# KiCad board processor.80C188.kicad_pcb (continued)
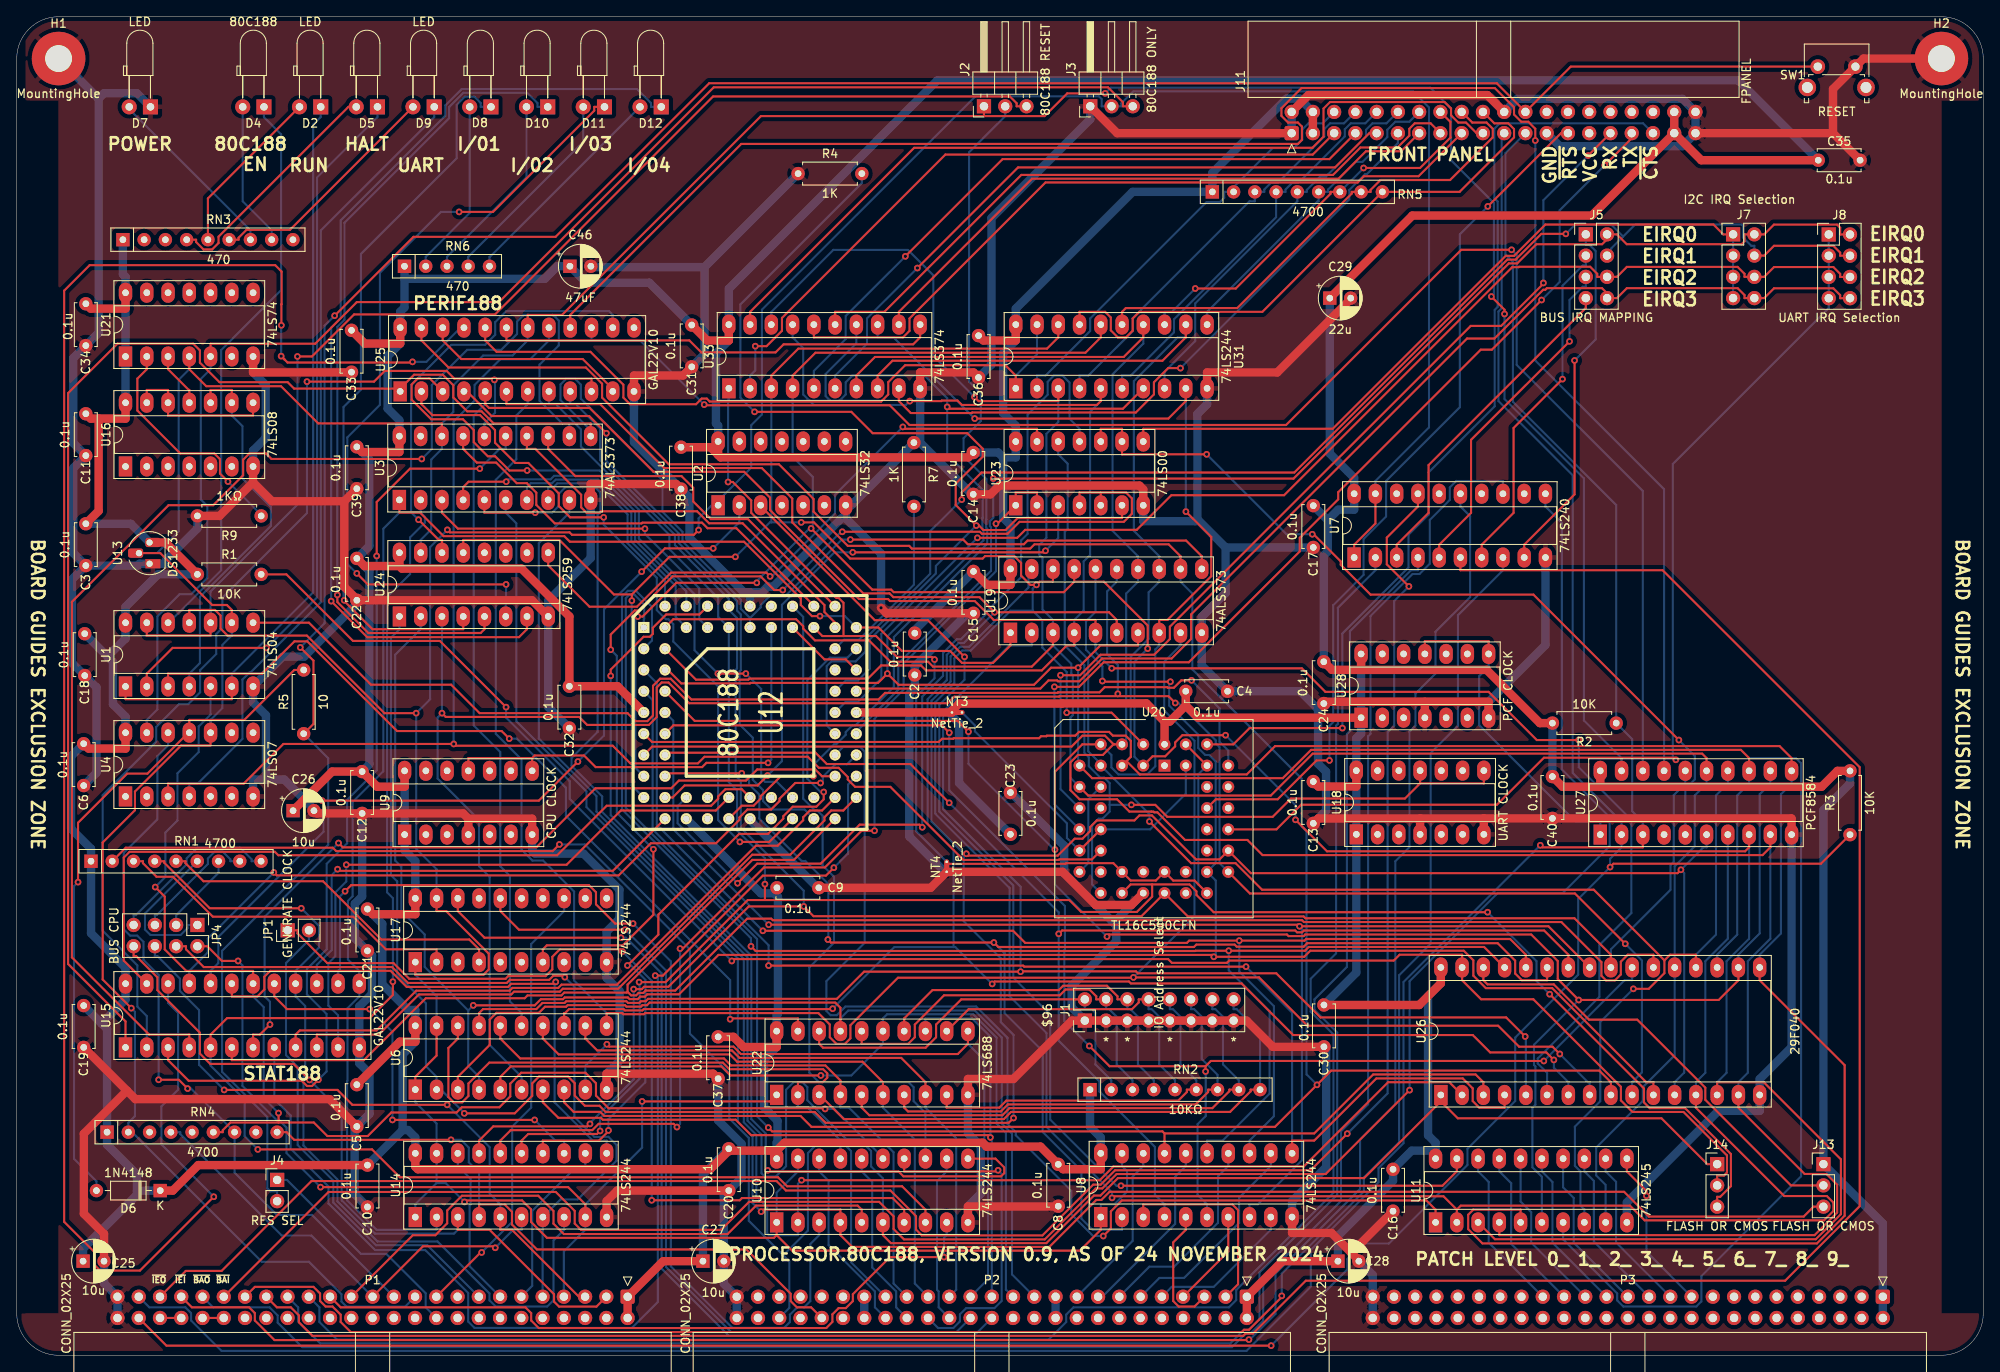
[diagram p0: board, top side]
## Nets (continued)
~{BDREQ0}: U10.3 U15.14
~{BDREQ1}: U14.16 U23.1 U23.2
~{BUSACK}: P1.13 U14.18
~{BUSRQ}: P1.23 RN4.7 U4.12
~{CPU-HALT}: RN4.6 U1.5 U10.15 U15.18
~{CPU-IORQ}: U14.11 U15.19
~{CPU-M1}: RN1.4 U14.8 U15.16
~{CPU-MREQ}: U14.13 U15.17
~{CPU-RD}: U12.62 U14.17 U20.24 U25.9 U26.24 U27.16
~{CPU-RFSH}: U10.11 U12.64
~{CPU-WR}: J14.3 U12.63 U14.15 U20.20 U25.8
~{CS_I2C_WR}: U25.15 U27.18
~{CS_I2C}: U25.16 U27.17
~{CS_UART}: U4.3 U20.16 U25.17
~{CTS}: J11.35 U20.40
~{DEN}: U12.39 U15.21
~{DREQ0}: P2.46 RN1.2 U10.17
~{DREQ1}: P2.42 RN4.9 U14.4
~{EIRQ0}: P1.45 U7.17
~{EIRQ1}: P1.43 U7.15
~{EIRQ2}: P1.41 U7.13
~{EIRQ3}: P1.39 U7.11
~{EIRQ4}: P1.37 U7.8
~{EIRQ5}: P1.35 U7.6
~{EIRQ6}: P1.33 U7.4
~{EIRQ7}: P1.31 U7.2
~{EXT_RES}: J4.2 J11.24 R5.1 SW1.1
~{FP-LATCH-RD}: U25.20 U31.1 U31.19
~{G_DATA}: U2.2 U15.20
~{HALT}: P1.27 U10.5
~{INT-I2C}: U23.9 U23.10 U27.5
~{IORQ}: JP4.2 P1.7 U14.9 U22.1
~{M1}: P1.11 U14.12
~{MREQ}: JP4.4 P1.9 U14.7
~{NMI}: P1.19 U17.13
~{ONB_IO}: U15.22 U25.21
~{PCS1}: U12.27 U15.23
~{PCS4}: U12.30 U25.2
~{PCS5}: U12.31 U25.3
~{PCS6}: U12.32 U25.4
~{RD}: JP4.8 P1.3 U14.3
~{RES_IN}: J4.1 P1.20
~{RES_OUT}: J2.1 P1.21 RN4.2 U1.9 U3.18 U4.10 U13.2 U21.4 U24.15 U25.18 U27.19
~{RFSH}: P1.29 U10.9
~{RTS}: J11.27 U20.36
~{UCS}: U12.34 U15.6 U26.22
~{WAIT}: P1.25 RN4.4 U14.6
~{WR_LS259}: U24.14 U25.14
~{WR}: JP4.6 P1.5 U14.5
Net-(D2-Pad1): D2.1 U1.1 U1.6
Net-(D4-Pad1): D4.1 U1.12
Net-(D5-Pad1): D5.1 U1.2
Net-(D6-Pad2): D6.2 R5.2 U4.11
Net-(D8-Pad1): D8.1 U24.4
Net-(D8-Pad2): D8.2 RN6.2
Net-(D9-Pad1): D9.1 U4.4
Net-(D10-Pad1): D10.1 U24.5
Net-(D10-Pad2): D10.2 RN6.3
Net-(D11-Pad1): D11.1 U24.6
Net-(D11-Pad2): D11.2 RN6.4
Net-(D12-Pad1): D12.1 U24.7
Net-(D12-Pad2): D12.2 RN6.5
Net-(J1-Pad2): J1.2 RN2.2 U22.18
Net-(J1-Pad4): J1.4 RN2.3 U22.16
Net-(J1-Pad6): J1.6 RN2.4 U22.14
Net-(J1-Pad8): J1.8 RN2.5 U22.12
Net-(J1-Pad10): J1.10 RN2.6 U22.9
Net-(J1-Pad12): J1.12 RN2.7 U22.7
Net-(J1-Pad14): J1.14 RN2.8 U22.5
Net-(J1-Pad16): J1.16 RN2.9 U22.3
Net-(J5-Pad1): J5.1 U7.9
Net-(J5-Pad3): J5.3 U7.7
Net-(J5-Pad5): J5.5 U7.5
Net-(J5-Pad7): J5.7 U7.3
Net-(J7-Pad1): J7.1 J7.3 J7.5 J7.7 U23.8
Net-(J11-Pad5): J11.5 U33.2
Net-(J11-Pad7): J11.7 U33.5
Net-(J11-Pad9): J11.9 U33.6
Net-(J11-Pad11): J11.11 U33.9
Net-(J11-Pad13): J11.13 U33.12
Net-(J11-Pad15): J11.15 U33.15
Net-(J11-Pad17): J11.17 U33.16
Net-(J11-Pad19): J11.19 U33.19
Net-(J13-Pad2): J13.2 U26.30
Net-(J14-Pad2): J14.2 R1.2 U26.31
Net-(JP1-Pad1): JP1.1 U10.7
Net-(JP4-Pad1): JP4.1 RN1.6
Net-(JP4-Pad3): JP4.3 RN1.7
Net-(JP4-Pad5): JP4.5 RN1.8
Net-(JP4-Pad7): JP4.7 RN1.9
Net-(P1-Pad40): P1.40 P1.42
Net-(P1-Pad44): P1.44 P1.46
Net-(R9-Pad1): R9.1 U21.2
Net-(U1-Pad3): U1.3 U22.19
Net-(U1-Pad4): U1.4 U16.9 U16.10
Net-(U1-Pad8): U1.8 U20.39
Net-(U11-Pad19): U2.3 U11.19
Net-(U12-Pad19): U12.19 U23.3
Net-(U12-Pad25): U12.25 U15.11
Net-(U12-Pad35): U12.35 U15.10
Net-(U12-Pad36): U12.36 U15.9
Net-(U12-Pad37): U12.37 U15.8
Net-(U12-Pad38): U12.38 U15.7
Net-(U12-Pad47): U12.47 U12.57
Net-(U12-Pad59): U9.8 U9.11 U12.59
Net-(U12-Pad65): U3.3 U12.65
Net-(U12-Pad66): U3.4 U12.66
Net-(U12-Pad67): U3.7 U12.67
Net-(U12-Pad68): U3.8 U12.68
Net-(U16-Pad12): U16.8 U16.12 U16.13
Net-(U17-Pad7): U17.7 U23.4 U23.5
Net-(U20-Pad10): U20.10 U20.17
Net-(U23-Pad13): U23.13 U24.9
Net-(U25-Pad11): U25.11 U25.22
Net-(U27-Pad1): U27.1 U28.8 U28.11

Pads without a net: J11 26 28 29 30 32 34 36; P1 17; RN3 2 3 9; RN4 3 5 8; U2 4 5 6 8 9 10 11 12 13; U3 19; U4 1 2 5 6 8 9; U7 12 14 16 18; U9 2 3 5 6 9 10 12 13; U12 22 23 28 29 33 48 58; U16 1 2 3 4 5 6; U17 3 5 6 8 9 11 12 14 15 17; U18 2 3 5 6 9 10 12 13; U20 1 12 19 23 26 27 32 34 35 37 38; U21 6 8 9 10 11 12 13; U24 10 11 12; U25 13; U27 4; U28 2 3 5 6 9 10 12 13

## Via types
v1: diameter 0.8, hole 0.4, Top to Bottom, 239 vias

## Routing (per net, layer and track width the routed paths; a pad name or vN(x,y) marks a point on that pad's centre or on a via; arc(x,y) is an arc through that point)
+12V: length 2.5
  Bottom w1: P2.20 P2.19
-12V: length 2.5
  Bottom w1: P2.38 P2.37
GND: length 1436.6
  Top w1: J3.1 131.5,146.08 J11.1 ; U31.10 142.25,117.48 150.63,117.48 159.41,126.26 C29.2 ; 53.97,64.14 61.59,64.14 U9.7 ; 53.97,64.14 53.34,64.77 C12.2 35.85,64.77 C26.2 ; 53.97,64.14 U9.4 ; U25.12 73.76,117.11 79.62,117.11 C31.2 ; 28.24,104.34 24.23,100.33 R9.2 ; 28.24,104.34 30.5,102.08 39.14,102.08 ; 28.24,104.34 U16.7 ; U28.7 175.89,78.11 168.27,78.11 ; U10.10 113.67,17.79 124.43,17.79 C8.2 ; 39.14,102.08 C39.2 ; 39.14,102.08 39.14,91.85 40.64,90.35 C22.2 61.58,90.25 U24.8 ; 217.05,146.08 217.05,151.36 SW1.2 220.69,155 H2.1 ; 217.05,146.08 C35.2 ; 217.05,146.08 J11.39 ; C33.2 39.98,117.49 28.24,117.49 U21.7 ; 159.49,12.25 157.11,14.62 152.4,14.62 U8.10 ; 159.49,12.25 C16.2 ; 159.49,12.25 160.38,11.35 C28.2 ; C30.2 150.1,36.87 146.97,40 J1.15 J1.13 J1.9 J1.7 J1.5 J1.1 126.08,40 119.1,33.03 113.67,33.03 U22.10 ; C25.2 10.43,14.51 8.02,16.92 8.02,26.49 13.16,31.64 ; U14.10 70.49,18.42 71.75,19.69 C20.2 ; C14.2 116.37,102.91 117.42,103.95 134.17,103.95 134.62,103.5 U23.7 ; J11.22 175.74,150.64 154.36,150.64 J11.2 ; C5.2 37.37,30.62 14.18,30.62 13.16,31.64 ; v1(103.28,89.34) 103.93,88.69 C15.2 ; C19.2 13.16,31.64 ; C13.2 155.53,64.17 167.7,64.17 ; U6.10 70.49,33.66 83.22,33.66 C37.2 ; U28.4 168.27,78.11 ; 168.27,78.11 156.41,78.11 C24.2 ; U3.10 68.58,104.15 78.78,104.15 C38.2 ; 175.32,64.17 167.7,64.17 ; 175.32,64.17 175.33,64.18 C40.2 212.06,64.18 212.09,64.14 U27.10 ; 175.32,64.17 U18.7 ; 167.7,64.17 U18.4 ; C36.2 114.33,117.48 107.96,117.48 107.96,115.58 ; C9.2 109.22,55.88 NT4.1 124.98,57.78 128.94,53.82 133.2,53.82 U20.22
  Bottom w1: C15.2 113.65,88.69 107.31,82.36 C2.2 107.31,79.73 106.66,79.07 106.66,62.02 110.89,57.78 NT4.1 ; U10.10 113.67,17.79 115.21,19.32 115.21,24.99 113.67,26.53 U22.10 ; 9.79,150.21 9.79,122.22 C34.2 6.75,119.19 6.75,109.04 C11.2 6.75,106.04 6.75,95.9 C3.2 ; 9.79,150.21 H1.1 ; 9.79,150.21 10.42,150.85 14.36,150.85 D7.1 ; 82.19,130.07 68.71,130.07 C46.2 ; 82.19,130.07 82.19,119.68 C31.2 ; 82.19,130.07 R4.1 ; P3.50 P3.49 162.04,9.59 C28.2 ; C3.2 6.6,92.74 6.6,82.77 C18.2 9.53,79.84 9.53,69.63 C6.2 ; C3.2 14.45,94.4 14.67,94.62 U13.1 17.88,94.62 17.88,95.12 21.59,98.83 R9.2 ; C32.2 63.52,77.5 U24.8 63.52,90.22 68.58,95.29 U3.10 ; 144.46,96.56 C17.2 ; 144.46,96.56 141.09,99.93 ; 144.46,96.56 144.46,91.12 141.61,88.27 U19.10 141.61,82.47 C4.2 153.35,79.38 155.51,77.22 ; 131.08,51.7 131.39,51.38 131.39,49.49 126.05,44.15 126.05,41.59 J1.1 ; 131.08,51.7 125.17,57.61 125.17,60.9 118.8,67.27 C23.2 ; 131.08,51.7 U20.22 ; 107.96,115.58 107.96,109.09 ; C25.2 10.43,8.61 P1.49 P1.50 ; 141.09,99.93 140.86,99.7 134.62,99.7 U23.7 ; 141.09,99.93 141.09,112.53 142.25,113.68 U31.10 ; U16.7 28.24,108.14 29.75,109.65 29.75,115.98 28.24,117.49 U21.7 ; U6.10 70.49,33.66 72.04,35.21 72.04,43.55 70.49,45.1 U17.10 70.49,50.63 72.02,52.16 72.02,55.66 67.72,59.96 61.97,59.96 61.59,60.34 U9.7 ; C9.2 95.72,55.88 87.63,63.97 U12.26 ; C24.2 155.51,77.22 ; 155.51,77.22 155.51,70.71 156.47,69.75 156.47,65.11 C13.2 ; C12.2 41.28,54.85 40.41,53.98 40.41,49.84 C21.2 42.45,47.8 42.45,43.21 40.94,41.69 U15.12 40.94,34.9 42.15,33.69 42.15,28.86 C5.2 40.38,27.08 40.38,19.26 C10.2 ; U28.7 175.89,78.11 182.68,84.9 U7.10 ; 99.06,100.06 103.28,95.83 v1(103.28,89.34) ; 99.06,100.06 99.06,100.05 98.57,100.05 90.4,91.88 89.74,91.88 89.07,91.22 87.63,91.22 ; 99.06,100.06 U2.7 99.73,101.61 R7.1 107.96,109.09 ; 87.63,91.22 U12.60 ; 87.63,91.22 86.88,91.22 80.38,97.71 80.38,102.54 C38.2 73.76,109.16 U25.12 ; U27.10 212.09,36.83 208.28,33.02 U26.16 208.28,29.21 203.35,29.21 192.41,18.27 U11.10 ; 107.96,109.09 114.14,102.91 C14.2 ; J11.1 J11.2 ; U8.10 152.4,18.42 156.48,22.5 156.48,36.6 C30.2 ; C36.2 116.48,118.42 116.48,135.94 128.28,147.74 J3.1 ; 29.79,68.82 31.97,68.82 35.52,65.27 C26.2 ; 29.79,68.82 29.79,76.5 28.24,78.05 U1.7 31.8,83.51 34.34,83.51 40.64,89.81 C22.2 ; 29.79,68.82 28.36,68.82 28.24,68.7 U4.7 ; P2.50 P2.49 84.5,8.54 C27.2 84.5,19.09 C20.2 86.61,21.21 86.61,25.28 83.82,28.08 C37.2 ; J11.25 184.38,144.53 199.06,144.53 J11.39 J11.40 199.05,150.18 179.31,150.18 J11.22
VCC: length 1442.3
  Top w1: 45.73,94.34 41.56,94.34 C22.1 ; 45.73,94.34 U24.16 ; 45.73,94.34 46.04,94.03 60.32,94.03 66.04,88.31 C32.1 71.8,79.97 U12.9 ; C28.1 151.25,11.25 P2.1 P2.2 ; U9.14 46.35,67.96 43.09,67.96 C12.1 37.69,69.77 C26.1 ; U12.43 NT3.1 111.76,77.05 112.61,77.9 124.89,77.9 124.92,77.92 134.99,77.92 137.16,75.75 ; C6.1 8.58,72.52 13,72.52 U4.14 ; C33.1 41.59,120.93 45.82,120.93 U25.24 ; U8.20 129.54,22.24 125.04,22.24 C8.1 122.34,24.94 115.9,24.94 115.43,25.41 91.76,25.41 90.81,24.46 ; C10.1 21.69,22.73 18.65,19.69 D6.1 ; C3.1 9.79,100.93 9.79,111.96 ; C36.1 115.52,121.3 119.38,121.3 U31.20 ; 189.24,67.96 215.68,67.96 217.57,69.85 R3.2 ; 189.24,67.96 U27.20 ; 189.24,67.96 184.73,67.96 C40.1 ; J11.37 188.22,136.23 166.78,136.23 C29.1 ; J11.37 J11.38 ; J11.37 201.3,142.85 C35.1 ; U22.20 90.81,36.84 86.87,36.84 85.65,38.06 C37.1 ; C39.1 41.26,107.96 45.72,107.96 45.72,109.86 ; R2.2 182.01,75.56 175.65,81.93 160.65,81.93 ; 160.65,81.93 U28.14 ; 160.65,81.93 157.17,81.93 C24.1 ; 137.16,75.75 137.78,75.75 139.7,77.67 ; 137.16,75.75 U20.44 ; C5.1 45.77,37.48 47.63,37.48 U6.20 ; 139.7,77.67 141.16,76.21 U28.1 ; 139.7,77.67 C4.1 ; C30.1 167.6,41.87 170.18,44.45 U26.32 ; C14.1 113.72,107.33 84.12,107.33 83.81,107.63 ; C13.1 155.54,67.98 160.08,67.98 U18.14 ; U13.3 17.78,97.16 R1.1 ; 85.09,24.46 82.87,22.24 47.93,22.24 47.63,22.54 U14.20 ; 85.09,24.46 C20.1 ; 85.09,24.46 90.81,24.46 ; U16.14 13,111.96 9.79,111.96 ; U10.20 90.81,24.46 ; U19.20 118.75,92.09 115.94,92.09 C15.1 ; 9.79,111.96 8.84,111.96 C11.1 ; C38.1 82.9,108.55 83.81,107.63 ; C31.1 82.51,121.3 85.09,121.3 U33.20 ; J11.4 J11.3 ; 83.81,107.63 U2.14 ; U21.14 13,125.11 8.84,125.11 C34.1 ; C27.1 77.25,11.25 P1.1 P1.2 ; C21.1 42.53,52.72 47.63,52.72 U17.20
  Bottom w1: U16.14 U21.1 U21.14 13,128.91 12.69,129.23 RN3.1 ; C10.1 41.92,22.73 46.12,26.92 ; 90.54,55.22 88.92,55.22 U12.20 ; 90.54,55.22 90.96,54.8 90.96,40.79 90.81,40.65 U22.20 90.81,36.84 89.31,35.34 89.31,29.63 90.92,28.03 90.92,25.51 90.81,25.41 U10.20 ; 90.54,55.22 90.84,55.53 C9.1 ; C27.1 82,21.59 C20.1 ; C39.1 42.14,107.08 42.14,96.75 C22.1 42.14,93.75 42.14,70.64 C12.1 ; C29.1 156.91,107.79 159.82,104.88 U7.20 159.82,101.08 157.92,101.08 156.67,99.83 ; 156.67,99.83 156.67,96.09 156.19,95.61 C24.1 ; 156.67,99.83 C17.1 ; 169.55,24.46 166.7,24.46 C16.1 164.47,20.86 157.88,14.28 C28.1 ; 169.55,24.46 U11.20 ; 169.55,24.46 169.55,25.41 168.65,26.3 168.65,42.93 170.18,44.45 U26.32 ; 117.88,107.32 117.29,107.91 C14.1 ; 117.88,107.32 117.88,100.1 118.75,99.23 U19.20 ; 117.88,107.32 119.38,107.32 U23.14 119.38,111.12 117.87,112.63 117.87,119.79 119.38,121.3 U31.20 119.38,125.1 133.35,139.06 RN5.1 142.88,141.34 151.74,150.21 153.3,150.21 J11.4 ; D6.1 14.37,19.69 ; C21.1 43.68,51.57 43.68,44.36 46.76,41.28 47.63,41.28 U6.20 47.63,37.48 46.12,35.97 46.12,26.92 ; U13.3 13.63,99.4 C3.1 ; 46.12,26.92 46.75,26.92 47.63,26.04 U14.20 ; 10.14,39.66 10.8,39 RN4.1 10.8,25.17 14.37,21.6 14.37,19.69 ; 10.14,39.66 C19.1 ; 10.14,39.66 13,42.52 U15.24 13,46.32 8.88,50.45 RN1.1 8.88,60.56 6.5,62.93 6.5,71.6 C6.1 ; P3.2 P3.1 223,15.75 J13.1 215.9,65.17 219.07,68.35 R3.2 ; U28.14 U28.1 160.65,74.31 160.08,73.74 U18.14 U18.1 160.08,45.74 C30.1 ; U9.14 U9.1 46.35,60.34 47.63,59.06 U17.20 ; C23.1 112.61,68.41 112.61,75.56 111.76,76.41 NT3.1 ; 14.37,19.69 14.37,19.19 7.93,12.75 C25.1 ; C15.1 107.31,86.68 C2.1 ; 46.33,128.67 46.33,125.25 45.82,124.73 U25.24 45.82,120.93 44.32,119.43 44.32,113.17 45.72,111.77 45.72,109.86 ; 46.33,128.67 RN6.1 ; 46.33,128.67 63.1,128.67 64.6,130.18 C46.1 68.07,128.21 75.6,128.21 C31.1 ; U8.20 129.54,26.04 128.25,27.33 RN2.1 ; 10.85,83.52 13,85.67 U1.14 13,89.47 16.88,93.34 R1.1 ; 10.85,83.52 11.5,82.87 11.5,77.82 13,76.32 U4.14 ; 10.85,83.52 C18.1 ; R2.2 C40.1 ; C35.1 205.74,152.39 110,152.39 85.09,127.48 U33.20 85.09,121.3 83.56,119.76 83.56,111.39 83.81,111.13 U2.14
88TOGGLE: length 6.6
  Top w0.25: U21.3 18.08,117.86 20.56,115.39 20.62,115.39 U16.11
188EN: length 147.5
  Top w0.25: v1(33.54,119.39) 35.28,119.39 40.31,124.42 57.16,124.42 83.21,150.47 118.68,150.47 119.49,149.66 119.49,149.3 120.66,149.3 ; U1.13 15.54,86.04 23.16,86.04 U1.10
  Bottom w0.25: U1.10 23.16,91.29 33.54,101.68 v1(33.54,119.39)
188RST: length 105.8
  Top w0.25: v1(95.2,69.22) 91.3,69.22 88.9,66.82 88.9,66.53 88.06,65.69 86.64,65.69 U12.24
  Bottom w0.25: J2.2 118.12,148.12 113.8,143.8 113.8,116.38 115.2,114.98 115.2,111.67 113.14,109.61 113.14,107.47 115.88,104.74 115.88,99.92 115.84,99.89 115.84,98.92 115.97,98.79 115.97,97.01 104.81,85.85 104.81,79.88 100.21,75.28 99.85,75.28 99.06,74.49 99.06,74.16 97.92,73.03 97.66,73.03 95.2,70.56 v1(95.2,69.22)
470C: length 28.4
  Top w0.25: D5.2 39.63,149.22 24.12,133.71 24.12,132.95 23.35,132.18 22.31,132.18 21.43,133.07 21.43,133.35 RN3.4
470D: length 20.4
  Top w0.25: D2.2 22.84,138.28 RN3.5
470E: length 28.7
  Top w0.25: D9.2 32.65,134.53 27.45,134.53 26.51,133.58 26.51,133.35 25.38,133.35
470F: length 21.9
  Bottom w0.25: 27.92,133.35 27.92,134.48 13.44,148.96 D7.2
470G: length 17.3
  Bottom w0.25: RN3.8 30.47,134.48 27,137.94 D4.2
/fpanel/FP-D0: length 52.6
  Bottom w0.25: 144.85,139.06 150.08,144.3 152.61,144.3 153.62,145.31 153.62,146.51 154.37,147.26 156.07,147.26 J11.6 ; 144.85,139.06 RN5.2 ; 144.85,139.06 144.29,139.06 144.29,138.35 143.79,137.85 142.19,137.85 128.28,123.94 128.28,122.44 122.94,117.11 121.93,117.11 U31.2
/fpanel/FP-D1: length 49.8
  Bottom w0.25: J11.8 158.61,147.26 156.94,147.26 156.25,146.57 156.25,145.7 150.74,140.19 149.92,140.19 149.08,139.35 149.08,139.06 RN5.3 147.96,137.94 147.32,137.94 133.35,123.97 133.35,122.41 128.05,117.11 127,117.11 U31.4
/fpanel/FP-D2: length 48.4
  Bottom w0.25: U31.6 132.09,117.11 133.12,117.11 138.29,122.27 138.29,123.83 150.5,136.04 RN5.4 151.62,139.06 151.62,139.35 152.46,140.19 153.2,140.19 158.7,145.69 158.7,146.54 159.42,147.26 161.15,147.26 J11.10
/fpanel/FP-D3: length 46.6
  Bottom w0.25: J11.12 163.69,147.26 162.01,147.26 161.24,146.48 161.24,145.69 156.45,140.9 155.76,140.9 154.16,139.3 154.16,139.06 RN5.5 153.03,137.94 140.83,125.74 140.83,121.23 137.16,117.56 U31.8
/fpanel/FP-D4: length 38.1
  Bottom w0.25: J11.14 166.41,147.45 164.75,147.45 163.78,146.48 163.78,145.61 160.81,142.65 160.01,142.65 156.7,139.34 156.7,139.06 RN5.6 155.57,137.94 155.46,137.94 142.25,124.73 U31.11
/fpanel/FP-D5: length 48
  Top w0.25: J11.16 171.33,147.43 171.33,145.55 167.7,141.92 v1(160.95,141.92) ; RN5.7 156.99,139.06 156.99,138.83 145.67,127.52 v1(140.83,127.52)
  Bottom w0.25: RN5.7 160.95,141.9 v1(160.95,141.92) ; v1(140.83,127.52) 138.04,124.73 137.16,124.73 U31.13
/fpanel/FP-D6: length 60.3
  Top w0.25: J11.18 173.94,147.35 175.64,147.35 176.39,146.61 176.39,145.58 171.29,140.48 162.97,140.48 161.78,139.3 161.78,139.06 RN5.8 159.53,139.06 159.53,138.86 145.84,125.18 132.54,125.18 132.09,124.73 U31.15
/fpanel/FP-D7: length 71.9
  Top w0.25: J11.20 176.57,147.26 178.24,147.26 178.93,146.57 178.93,145.57 172.42,139.06 RN5.9 148.86,124.73 134.16,124.73 133.35,123.92 133.35,122.47 132.55,121.67 131.59,121.67 130.74,122.51 130.74,124.05 130.06,124.73 127,124.73 U31.17
A0: length 92.8
  Top w0.25: U22.2 93.35,32.65 96.32,32.65 96.86,33.18 96.86,33.7 96.36,34.19 85.17,34.19 84.38,34.98 56.47,34.98 53.98,32.49 53.98,30.99 53.22,30.23 52.21,30.23 51.58,30.86 51.58,36.73 52.71,37.85 U6.18
  Bottom w0.25: U22.2 93.35,29.6 94.51,29.6 99.7,24.41 99.7,11.12 P2.35
A1: length 74
  Top w0.25: U22.4 98.43,32.85 96.64,34.64 85.36,34.64 84.52,35.48 60.17,35.48 57.79,37.85 U6.16
  Bottom w0.25: U22.4 98.43,29.6 99.45,29.6 104.78,24.27 104.78,8.58 P2.33
A2: length 72.2
  Top w0.25: U6.14 62.87,37.85 64.76,35.96 85.22,35.96 86.09,35.09 101.07,35.09 103.51,32.65 U22.6
  Bottom w0.25: P2.31 107.32,8.58 107.32,25.79 103.51,29.6 U22.6
A3: length 71.8
  Top w0.25: U22.8 108.59,32.65 105.7,35.54 86.37,35.54 85.47,36.44 69.36,36.44 67.95,37.85 U6.12
  Bottom w0.25: P2.29 112.27,7.83 112.27,25.92 108.59,29.6 U22.8
A4: length 85.7
  Top w0.25: v1(70.52,37.18) 70.8,36.89 85.65,36.89 86.54,36.01 112.46,36.01 113.67,37.22 U22.11
  Bottom w0.25: U6.9 67.95,34.6 v1(70.52,37.18) ; P2.27 116.07,9.09 116.07,25.3 115.63,25.74 115.63,35.26 113.67,37.22 U22.11
A5: length 98.1
  Top w0.25: v1(116.35,26.04) 116.08,26.31 87.75,26.31 85.91,28.15 70.03,28.15 69.81,28.38 64.72,28.38 62.87,30.23 U6.7
  Bottom w0.25: U22.13 108.59,40.27 114.16,40.27 116.35,38.07 v1(116.35,26.04) 116.52,25.87 P2.25
A6: length 99.6
  Top w0.25: v1(96.08,33.45) 85.28,33.45 84.2,34.53 59.04,34.53 57.79,33.29 U6.5
  Bottom w0.25: P2.23 118.21,7.85 118.21,26.58 117.09,27.7 117.09,37.98 114.3,40.76 104,40.76 103.51,40.27 U22.15 103.51,37.22 99.74,33.45 v1(96.08,33.45)
A7: length 111
  Top w0.25: U6.3 52.71,33.29 56.52,37.1 56.52,40.13 57.32,40.93 62.39,40.93 63.13,41.66 65.64,41.66 65.83,41.85 72.68,41.85 72.86,41.67 74.58,41.67 74.76,41.85 75.32,41.85 75.62,42.15 97.82,42.15 98.43,41.54 U22.17
  Bottom w0.25: P2.21 118.94,9.66 118.94,26.48 117.71,27.71 117.71,37.99 114.49,41.21 99.37,41.21 98.43,40.27 U22.17
A8: length 20.4
  Bottom w0.25: P2.17 133.35,13.67 133.35,21.34 134.62,22.61 U8.18
A9: length 21.8
  Bottom w0.25: P2.15 129.73,7 138.43,15.7 138.43,21.34 139.7,22.61 U8.16
A10: length 24.3
  Bottom w0.25: P2.13 135.35,10.59 138.31,10.59 143.55,15.83 143.55,21.38 144.78,22.61 U8.14
A11: length 25.3
  Bottom w0.25: P2.11 136.54,9.24 139.5,9.24 146.08,15.82 146.08,18.83 149.86,22.61 U8.12
A12: length 17.9
  Bottom w0.25: U8.9 149.86,14.99 143.04,8.18 138.02,8.18 P2.9
A13: length 11.8
  Top w0.25: U8.7 144.78,12.4 P2.7
A14: length 15.1
  Top w0.25: P2.5 140.74,5.82 138.85,5.82 138.2,6.48 138.2,13.49 139.7,14.99 U8.5
A15: length 24.1
  Top w0.25: P2.3 145.95,8.49 145.95,17.35 145.26,18.05 134.62,18.05 U8.3
A16: length 22.3
  Bottom w0.25: P2.36 102.55,5.73 102.55,7.63 97.02,13.17 97.02,20.85 95.89,21.98 U10.18
A17: length 21.3
  Bottom w0.25: U10.16 100.97,21.98 102.23,20.72 102.23,10.49 105.09,7.63 105.09,5.73 P2.34
A18: length 39.7
  Top w0.25: U10.14 106.05,21.98 117.13,21.98 v1(117.27,22.11)
  Bottom w0.25: P2.32 110.1,3.26 111.93,3.26 112.71,4.04 112.71,4.89 113.45,5.64 116.85,5.64 117.7,6.49 117.7,21.68 v1(117.27,22.11)
A19: length 20.1
  Bottom w0.25: U10.12 111.13,21.98 109.97,20.82 109.97,7.83 110.17,7.63 110.17,5.73 P2.30
A20: length 100
  Top w0.25: v1(72.71,50.87) 60.02,50.87 57.79,53.09 U17.16
  Bottom w0.25: v1(72.71,50.87) 77.58,45.99 77.58,10.56 85.37,2.78 112.3,2.78 P2.28
A21: length 107.9
  Top w0.25: v1(72.21,49.91) 55.89,49.91 52.71,53.09 U17.18
  Bottom w0.25: P2.26 114.38,2.32 85.1,2.32 77.06,10.37 77.06,45.66 72.81,49.91 v1(72.21,49.91)
ALE: length 263.7
  Top w0.25: U19.11 141.61,95.52 139.74,97.39 120.8,97.39 120.35,96.94 113.65,96.94 113.1,97.5 v1(99.62,97.5) ; 68.58,109.86 68.58,111.39 56.99,111.39 55.55,112.83 53.83,112.83 52.17,114.49 52.17,115.94 50.9,117.21 47.48,117.21 45.82,115.55 ; U25.1 45.82,115.55 ; 45.82,115.55 33.14,115.55 32.38,116.32 24.22,116.32 21.89,118.65 21.89,120.12 21.08,120.93 12.05,120.93 6.13,115.01 6.13,46.78 13,39.91 U15.1
  Bottom w0.25: v1(99.62,97.5) 98.59,97.5 91.84,90.75 89.98,90.75 88.9,89.66 88.9,89.4 87.63,88.13 ; 87.63,88.13 U12.61 ; 87.63,88.13 86.53,89.23 86.53,90.32 79.56,97.29 79.56,98.43 77.16,100.83 77.16,104.6 67.41,114.35 67.41,116.01 66.66,116.77 65.7,116.77 64.98,116.04 64.98,114.18 68.58,110.57 68.58,109.86
bCLK: length 58.1
  Bottom w0.25: JP1.2 34.92,49.62 32.18,46.88 32.18,35.87 33.58,34.47 33.58,25.12 37.83,20.87 37.83,18.25 42.93,13.15 49.07,13.15 P1.15
CLKOUT: length 81.5
  Bottom w0.25: U10.13 108.59,28.96 107.18,30.38 107.18,32.04 106.57,32.65 95.85,32.65 94.71,33.79 94.71,46.37 97.66,49.32 97.66,57.18 96.3,58.55 96.3,64.49 95.67,65.12 95.39,65.12 93.98,66.53 93.98,88.26 U12.56
CPU-A0: length 336.4
  Top w0.25: v1(198.87,58.03) 198.47,57.63 147.48,57.63 144.78,60.32 143.73,59.27 140.91,59.27 135.66,64.53 134.16,64.53 133.56,63.93 129.07,63.93 128.27,63.14 128.27,62.66 127.36,61.75 126.43,61.75 124.4,59.72 113.7,59.72 v1(113.48,59.95) ; v1(53.49,28.92) 59.51,28.92 61.6,31.01 61.6,32.5 62.42,33.32 65.88,33.32 66.68,32.52 66.68,31.03 67.89,29.82 69.64,29.82 70.38,29.08 95.37,29.08 96.67,27.78 118.54,27.78 v1(119.12,28.36)
  Bottom w0.25: U19.19 120.91,93.61 120.91,91.78 113.82,84.69 112.75,84.69 111.59,83.54 111.59,80.52 109.31,78.24 109.31,63.81 113.16,59.97 113.16,59.58 ; 113.16,59.58 113.16,51.89 117.59,47.46 117.59,39.82 119.12,38.3 v1(119.12,28.36) ; 113.16,59.58 113.48,59.9 v1(113.48,59.95) ; 50.17,32.27 50.17,33.29 48.9,34.56 48.9,42.06 45.46,45.5 45.46,56.65 44.71,57.4 44.71,85.76 45.73,86.79 U24.1 ; 50.17,32.27 U6.2 ; 50.17,32.27 53.49,28.95 v1(53.49,28.92) ; U27.6 201.94,60.71 201.55,60.71 v1(198.87,58.03) 199.26,57.64 199.26,33.78 198.12,32.64 U26.12
CPU-A1: length 275.3
  Top w0.25: v1(137.86,80.51) 129.82,80.51 v1(129.74,80.6) ; U26.11 195.58,32.64 194.73,32.64 183.48,43.89 175.56,43.89 174.06,45.38 174.06,47.21 172.92,48.36 154.58,48.36 153.86,47.63 v1(143.05,47.63) 142.82,47.86 83.85,47.86 79.14,43.15 75.34,43.15 75.06,42.87 74.5,42.87 74.21,42.57 73.23,42.57 73.04,42.77 65.48,42.77 65.27,42.56 62.63,42.56 61.9,41.83 v1(54.56,41.83)
  Bottom w0.25: 53.95,41.22 48.76,46.42 48.76,50.3 45.96,53.09 45.96,58.4 45.22,59.14 45.22,83.74 48.28,86.79 U24.2 ; 53.95,41.22 v1(54.56,41.83) ; 53.95,41.22 53.95,34.58 55.25,33.29 U6.4 ; v1(137.86,80.51) 137.72,80.37 137.72,77.66 141.19,74.19 141.19,72.59 142.02,71.75 142.49,71.75 143.28,70.97 143.28,58.82 142.24,57.78 143.28,56.74 143.28,47.87 v1(143.05,47.63) ; U19.16 128.91,88.86 127.77,87.72 127.77,84.32 129.74,82.36 v1(129.74,80.6)
CPU-A2: length 264.7
  Top w0.25: v1(192.22,49.19) 186.21,55.2 147.37,55.2 144.78,57.78 ; 131.58,78.78 v1(131.58,79.07) ; 131.58,78.78 124.61,78.78 124.55,78.73 112.04,78.73 111.26,77.94 80.36,77.94 77.88,80.42 77.07,80.42 76.48,79.83 76.48,76.29 75.54,75.35 68.17,75.35 67.21,76.3 51.27,76.3 v1(50.81,76.75) ; 131.58,78.78 137.63,78.78 v1(138.45,77.97)
  Bottom w0.25: U26.10 193.04,32.64 194.21,33.81 194.21,47.19 v1(192.22,49.19) ; U24.3 v1(50.81,76.75) 50.29,76.23 50.29,68.95 55.24,64 55.24,58.45 56.52,57.17 56.52,37.1 60.33,33.29 U6.6 ; 144.78,57.78 143.73,58.83 143.73,72.69 143.28,73.14 143.28,73.51 138.82,77.97 v1(138.45,77.97) ; U19.15 131.45,92.46 130.3,91.32 130.3,83.79 131.58,82.51 v1(131.58,79.07)
CPU-A3: length 307.9
  Top w0.25: U26.9 190.5,32.64 189.12,34.02 157.07,34.02 v1(155.38,32.33) 150.35,27.3 94.97,27.3 93.67,28.6 70.22,28.6 69.73,29.09 66.55,29.09 65.41,30.23 U6.8 ; U19.12 139.07,95.52 137.65,96.94 121.62,96.94 121.11,96.43 106.97,96.43 106.65,96.75 99.31,96.75 95.22,100.84 95.22,102.36 91.07,106.5 77.92,106.5 69.95,114.47 69.95,116.13 68.01,118.07 51.6,118.07 48.36,121.31 U25.23
  Bottom w0.25: v1(155.38,32.33) 154.13,33.58 154.13,62.64 153.54,63.23 153.54,68.93 140.48,81.99 140.48,91.05 139.07,92.46 U19.12
CPU-A4: length 262.6
  Top w0.25: U6.11 70.49,40.91 72.35,40.91 72.49,40.77 74.95,40.77 75.09,40.91 95.79,40.91 97.16,39.54 97.16,38.01 97.96,37.21 98.96,37.21 99.63,37.88 99.63,39.45 105.3,45.13 133.41,45.13 v1(133.45,45.17) 148.46,45.17 154.23,39.39 177.02,39.39 179.54,36.88 183.53,36.88 v1(184.39,36.02)
  Bottom w0.25: v1(133.45,45.17) 140.74,52.46 140.74,73.45 137.12,77.07 137.12,82.89 139.07,84.84 U19.9 ; v1(184.39,36.02) 187.77,32.64 187.96,32.64 U26.8 ; U25.7 61.06,113.69 59.71,112.33 59.71,107.11 57.24,104.65 57.24,74.29 60.32,71.22 60.32,60.44 61.62,59.14 62.9,59.14 66.61,55.43 66.61,44.79 70.49,40.91 U6.11
CPU-A5: length 267.3
  Top w0.25: v1(97.5,41.43) 97.45,41.38 74.92,41.38 74.77,41.22 72.67,41.22 72.52,41.38 66,41.38 65.53,40.91 65.41,40.91 U6.13 ; U25.6 58.52,113.69 69.72,113.69 77.36,106.05 89.03,106.05 92.68,102.41 92.68,99.56 101.16,91.07 104.31,91.07 104.76,90.62 115.05,90.62 v1(116.85,88.82) 130.53,88.82 131.45,87.9 U19.6 ; v1(116.57,44.39) 116.85,44.68 132.91,44.68 133.15,44.44 146.37,44.44 152.53,38.28 174,38.28 176.07,36.2 182.79,36.2 v1(183.69,35.3)
  Bottom w0.25: 111.95,48.79 112.16,48.79 v1(116.57,44.39) ; 111.95,48.79 104.86,48.79 v1(97.5,41.43) ; 111.95,48.79 111.95,60.4 108.84,63.51 108.84,78.41 111.14,80.71 111.14,83.73 112.55,85.14 113.17,85.14 v1(116.85,88.82) ; v1(183.69,35.3) 183.69,34.37 185.42,32.64 U26.7
CPU-A6: length 280.9
  Top w0.25: v1(130.85,82.11) 153.57,82.11 156.39,79.3 175.89,79.3 181.65,73.54 v1(186.66,73.54) ; U19.5 128.91,87.9 116.74,87.9 114.49,90.15 104.36,90.15 104.12,90.39 100.65,90.39 90.02,101.03 90.02,102.52 86.93,105.6 76.09,105.6 68.46,113.24 56.43,113.24 55.98,113.69 U25.5
  Bottom w0.25: U26.6 182.88,33.76 181.76,34.88 181.76,35.48 189.13,42.84 189.13,49.04 192.95,52.86 192.95,64 186.66,70.29 v1(186.66,73.54) ; U6.15 60.33,40.91 58.94,42.3 58.94,57.29 57.78,58.45 57.78,72.11 54.61,75.28 54.61,112.31 55.98,113.69 U25.5 ; v1(130.85,82.11) 128.91,84.05 U19.5
CPU-A7: length 189.3
  Top w0.25: U6.17 55.25,40.91 55.72,41.38 62.09,41.38 62.82,42.11 65.46,42.11 65.67,42.32 72.85,42.32 73.05,42.12 74.39,42.12 74.59,42.32 75.15,42.32 75.44,42.6 98.01,42.6 101.25,45.85 v1(119.96,45.85) 120,45.89 133.75,45.89 133.98,45.66 150.52,45.66 155.79,40.38 177.99,40.38 v1(180.26,38.1)
  Bottom w0.25: U19.2 121.29,84.84 118.6,84.84 110.7,76.94 110.7,65.27 119.96,56.01 v1(119.96,45.85) ; v1(180.26,38.1) 180.34,38.03 U26.5
CPU-A8: length 169
  Top w0.25: v1(96.93,49.69) 97.29,49.34 v1(116.77,49.34) 117.3,48.8 140.68,48.8 140.96,49.09 145.54,49.09 145.79,48.84 153.79,48.84 154.21,49.26 176.97,49.26 179.06,47.17 179.06,45.63 179.86,44.83 182.88,44.83 U26.27 ; v1(86.64,69.56) 77.82,69.56 U12.16
  Bottom w0.25: v1(96.93,49.69) 96.98,49.75 96.98,56.34 94.24,59.09 93.79,59.09 88.73,64.15 88.73,67.02 87.51,68.24 87.51,68.69 v1(86.64,69.56) ; U8.2 132.08,14.99 128.57,14.99 127.23,16.34 127.23,22.06 122.6,26.69 122.6,36.34 118.04,40.9 118.04,48.06 v1(116.77,49.34)
CPU-A9: length 160.7
  Top w0.25: U12.14 77.74,72.02 95.45,72.02 96.8,70.67 106.79,70.67 v1(111.43,66.04) ; U26.26 185.42,47.88 182.53,50.77 153.82,50.77 153.6,50.55 153,50.55 152.78,50.77 124.91,50.77 v1(124.52,50.38)
  Bottom w0.25: U8.4 137.16,18.05 136.01,19.2 136.01,24.91 129.38,31.54 129.38,32.72 124.52,37.59 v1(124.52,50.38) 124.52,52.95 v1(111.43,66.04)
CPU-A10: length 169.7
  Top w0.25: U12.12 78.47,75.3 110.55,75.3 v1(111.44,74.42) ; 142.07,34.55 142.69,35.18 v1(182.49,35.18) ; 142.07,34.55 v1(142.07,33.92) ; 142.07,34.55 130.59,34.55 v1(128.17,36.97)
  Bottom w0.25: v1(182.49,35.18) 192.14,44.83 193.04,44.83 U26.23 ; v1(128.17,36.97) 125.19,39.96 125.19,48.45 125.26,48.53 125.26,53.7 111.44,67.52 v1(111.44,74.42) ; U8.6 142.24,18.05 141.11,19.18 141.11,27.61 142.09,28.59 142.09,33.9 v1(142.07,33.92)
CPU-A11: length 168.8
  Top w0.25: U26.25 183.04,51.28 v1(153.3,51.28) 153.11,51.46 v1(89.86,51.46)
  Bottom w0.25: v1(89.86,51.46) 78.46,62.87 78.46,75.85 U12.10 ; v1(153.3,51.28) 153.58,50.99 153.58,23.31 148.32,18.05 147.32,18.05 U8.8
CPU-A12: length 154.5
  Top w0.25: U8.11 152.4,25.67 155.05,25.67 162.48,33.09 172.81,33.09 173.99,31.91 173.99,30.39 174.79,29.59 177.8,29.59 U26.4 ; v1(89.84,46.58) 120.26,46.58 120.39,46.45 v1(146.9,46.45)
  Bottom w0.25: v1(89.84,46.58) 89.84,49.01 75.99,62.87 75.99,78.32 U12.7 ; U8.11 152.4,40.95 v1(146.9,46.45)
CPU-A13: length 159.7
  Top w0.25: v1(89.16,50.74) 119.07,50.74 120.51,49.29 139.83,49.29 140.1,49.56 v1(146.09,49.56) 153.88,49.56 154.07,49.76 178.46,49.76 180.34,47.88 U26.28
  Bottom w0.25: v1(89.16,50.74) 76.48,63.42 76.48,80.36 U12.5 ; U8.13 147.32,25.67 150.23,28.57 150.23,41.74 146.09,45.87 v1(146.09,49.56)
CPU-A14: length 180.2
  Top w0.25: v1(87.74,48.89) 88.3,48.32 140.84,48.32 140.87,48.36 v1(144.83,48.36) 153.95,48.36 154.4,48.81 175.35,48.81 U26.29
  Bottom w0.25: U12.3 75.92,85.44 75.92,89.45 73.99,91.38 73.02,91.38 72.33,90.69 72.33,65.25 87.74,49.84 v1(87.74,48.89) ; U8.15 142.24,25.67 144.11,25.67 149.71,31.27 149.71,41.14 144.83,46.02 v1(144.83,48.36)
CPU-A15: length 168.9
  Top w0.25: 137.16,26.52 U8.17 ; 137.16,26.52 136.91,26.76 90.27,26.76 v1(89.82,27.21) ; 137.16,26.52 155.05,26.52 162.09,33.56 174.34,33.56 175.26,32.64 U26.3
  Bottom w0.25: v1(89.82,27.21) 88.47,28.57 88.47,49.76 72.78,65.44 72.78,90.5 73.21,90.93 73.81,90.93 74.99,89.75 74.99,88.04 74.93,87.98 U12.1
CPU-A16: length 195.4
  Top w0.25: v1(93.78,20.92) 129.42,20.92 131.06,22.56 153.8,22.56 163.88,32.64 171.19,32.64 U26.2
  Bottom w0.25: v1(93.78,20.92) 93.35,20.49 U10.2 93.35,14.36 89.87,14.36 89.68,14.55 89.68,17.71 88.38,19.01 88.38,26.35 86.88,27.85 86.88,47.38 69.28,64.98 69.28,66.84 62.39,73.73 62.39,97.06 66.05,100.72 U3.9
CPU-A17: length 232.8
  Top w0.25: v1(88.95,17.17) 89.2,17.41 98.43,17.41 U10.4 98.43,14.36 99.84,12.95 123.39,12.95 129.01,18.56 129.61,18.56 130.59,19.54 192.08,19.54 195.04,16.58 213.54,16.58 214.72,17.76 J13.3
  Bottom w0.25: U3.6 58.42,100.72 59.7,99.44 59.7,75.78 68.08,67.4 68.08,65.53 86.17,47.43 86.17,27.92 87.93,26.17 87.93,18.19 v1(88.95,17.17)
CPU-A18: length 259.2
  Top w0.25: U10.6 103.51,14.36 104.47,13.4 123.04,13.4 128.73,19.09 129.51,19.09 131.59,21.18 161.01,21.18 170.18,30.35 ; U3.5 55.89,100.72 v1(61.97,100.72) ; 170.18,30.35 172.21,28.32 196.55,28.32 202.02,22.84 J14.1 ; 170.18,30.35 U26.1
  Bottom w0.25: v1(61.97,100.72) 63.98,100.72 64.78,101.52 64.78,102.97 65.58,103.77 69.1,103.77 69.73,103.14 69.73,100.78 69.41,100.46 69.41,74.51 66.3,71.4 66.3,70.45 69.96,66.8 69.96,64.94 87.33,47.57 87.33,28.04 89,26.37 89,21.75 89.39,21.36 90.7,21.36 91.94,22.6 91.94,31.74 92.85,32.65 93.88,32.65 94.48,32.06 94.48,30.48 99.11,25.85 100.66,25.85 102.1,24.41 102.1,22.57 103.51,21.15 U10.6
CPU-A19: length 185.6
  Top w0.25: U15.5 23.16,38.33 25.14,40.31 42.18,40.31 44.95,43.08 v1(44.95,44.65) ; U10.8 108.59,17.41 105.8,20.2 92.06,20.2 90.98,21.28 45.79,21.28 42.46,24.61 v1(28.81,24.61)
  Bottom w0.25: v1(28.81,24.61) 27.23,26.19 27.23,30.55 23.16,34.62 U15.5 ; v1(44.95,44.65) 44.95,54.65 44.26,55.34 44.26,90.64 47,93.38 47,97.76 48.78,99.53 48.78,100.21 48.27,100.72 U3.2
